# Altium PCB CL-HC-M-V2.1gerber.PcbDoc (part 12 of 16)
Units mil, origin at the board's own origin, x right, y up, seen from the top; angles counter-clockwise.
Board outline 27559.06 x 27559.06 mil, 2 copper layers (TopLayer, BottomLayer); 575 components, 528 nets, 1941 pads, 1850 vias.
Unrouted connection lines stored in the file: 70.
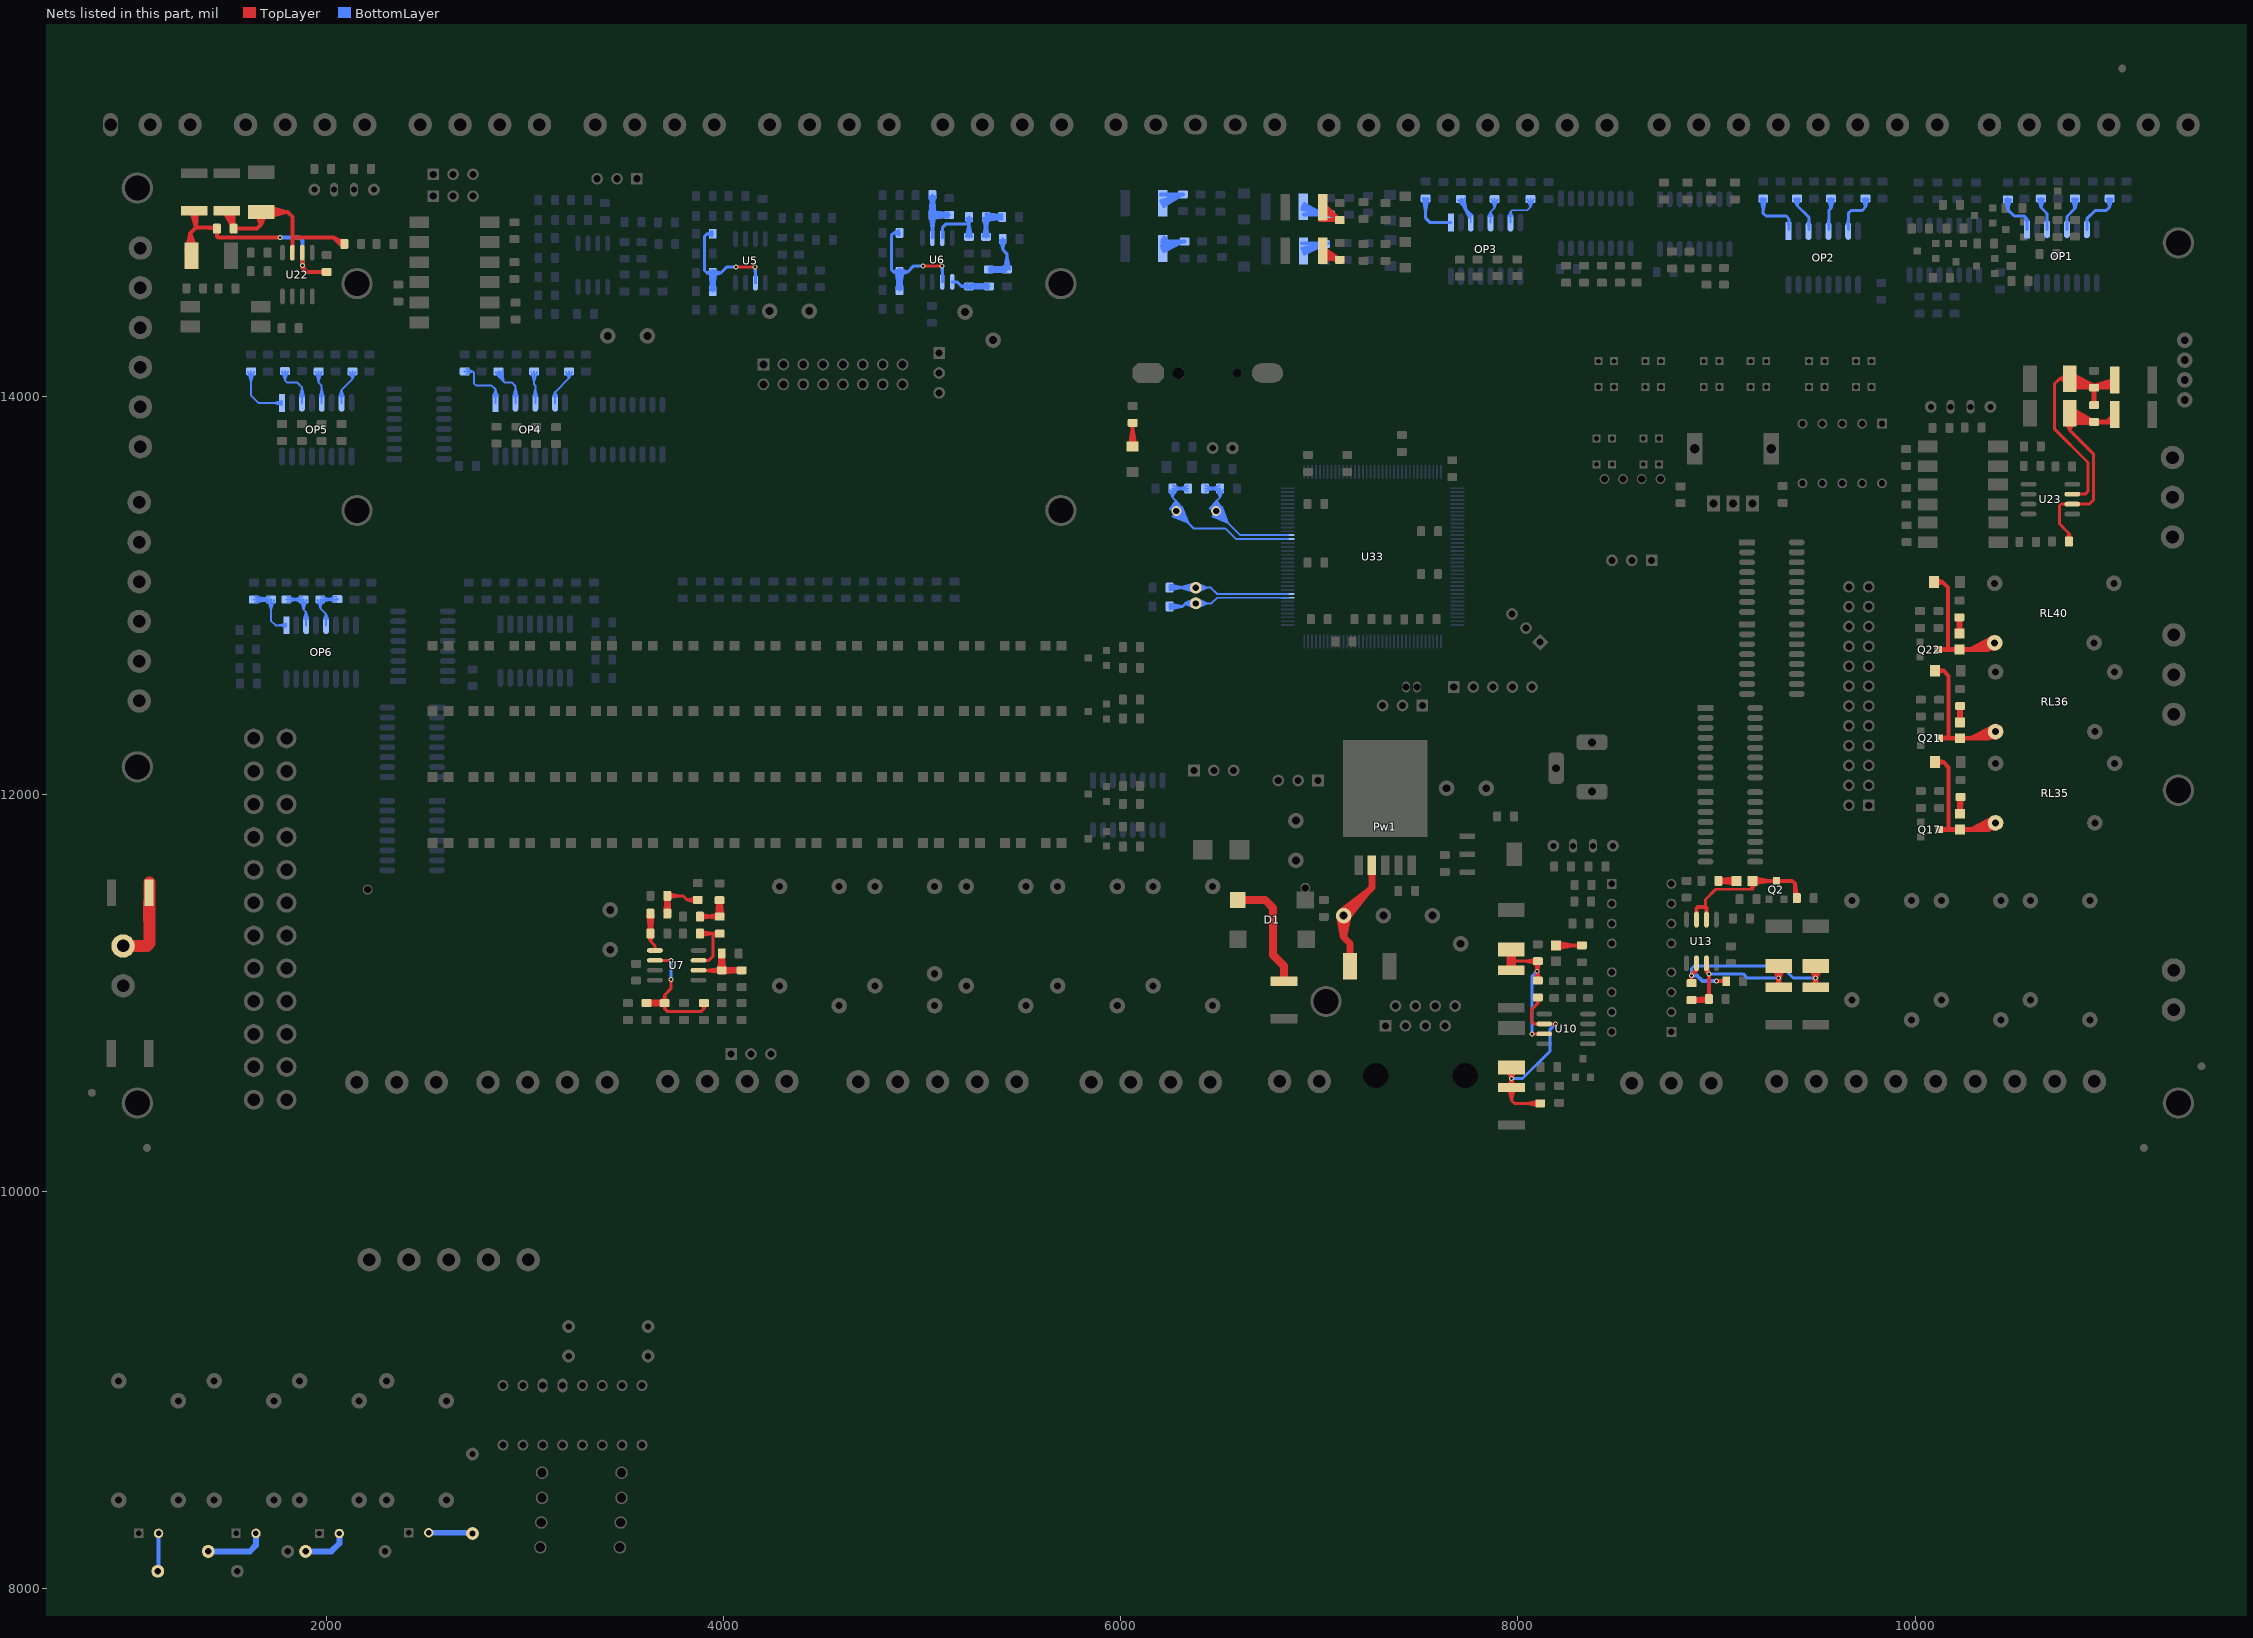
[diagram p12: the nets of this part, all layers, seen from the top]

## Via types
v1: diameter 25, hole 15, TopLayer to BottomLayer, tented both sides, 1813 vias
v2: diameter 20, hole 12, TopLayer to BottomLayer, tented both sides, 24 vias
v3: diameter 25, hole 15, TopLayer to BottomLayer, 13 vias

## Nets (pads, with @x,y where several pads share a name; then routed paths per layer and width w, separated by ;. In a path a pad name is that pad's centre, name@x,y a point inside that pad or via, vN(x,y) a via of type N, cw(c..) or ccw(c..) an arc to the next point about the centre after c; other vN are vias at no path point) (continued)
NetC18_1: C18.1 R114.2 R116.1 U5.6 | length 2051.5
  TopLayer w15: v1(4064.05,14655) v1(4159.64,14655)
  BottomLayer w15: R116.1@3933.67,14619.59 C18.1@3936.59,14553.29 ; C18.1@3933.71,14538.54 R116.1@3946.15,14602.34 ; R116.1@3934.01,14616 C18.1@3955.72,14553.29 ; R114.2@3943.43,14809.02 3917.46,14821.22 ; R114.2@3943.43,14833.42 3917.46,14821.22 ; R116.1@3943.46,14611.75 3917.16,14623.96 ; R116.1@3943.46,14636.17 3917.16,14623.96 ; C18.1@3946.15,14532.34 R116.1@3946.15,14623.96 ; C18.1@3946.15,14537.34 R116.1@3946.15,14602.34 ; R114.2@3946.15,14821.22 3917.46,14821.22 ; R116.1@3948.07,14611.61 3986.82,14623.96 ; R116.1@3948.07,14636.31 3986.82,14623.96 ; R116.1@3958.3,14616 C18.1@3936.59,14553.29 ; C18.1@3958.6,14538.54 R116.1@3946.15,14602.34 ; R116.1@3958.64,14619.59 C18.1@3955.72,14553.29 ; U5.6@4161.15,14574.54 v1@4161.15,14653.49 ; U5.6@4161.15,14597.42 v1(4159.64,14655) ; 3917.16,14623.96 3904.72,14636.4 3904.72,14808.48 3917.46,14821.22 ; 3917.16,14623.96 R116.1@3946.15,14623.96 ; C18.1@3936.59,14553.29 R116.1@3946.15,14618.96 ; C18.1@3946.15,14553.96 3958.6,14617.76 C18.1@3946.15,14553.96 ; C18.1@3946.15,14553.96 3933.71,14617.76 C18.1@3946.15,14553.96 ; C18.1@3946.15,14553.96 R116.1@3946.15,14618.96 ; C18.1@3946.15,14553.96 R116.1@3946.15,14618.96 ; R116.1@3946.15,14618.96 C18.1@3955.72,14553.29 ; R116.1@3946.15,14623.96 3986.82,14623.96 ; 3986.82,14623.96 4017.86,14655 ; 4017.86,14655 v1(4064.05,14655) 4017.86,14655 ; v1(4159.64,14655) v1@4161.15,14653.49 ; v1(4159.64,14655) 4161.15,14602.54 v1@4161.15,14653.49
NetC25_1: C25.1 R123.2 R127.1 | length 1158.8
  BottomLayer w15: C25.1@5309.42,14807.13 5321.86,14870.93 C25.1@5334.3,14807.13 ; R127.1@5309.42,14899.73 5321.86,14835.93 ; C25.1@5321.86,14805.93 R127.1@5321.86,14905.93 R123.2@5403.28,14905.93 ; R127.1@5321.86,14910.93 R123.2@5387.1,14915.45 ; R127.1@5322.19,14888.43 R123.2@5387.1,14896.41 ; R127.1@5322.19,14923.42 R123.2@5387.1,14915.45 ; R127.1@5323.07,14893.49 5386.86,14905.93 R127.1@5323.07,14918.37 ; R127.1@5323.92,14898.6 R123.2@5387.1,14915.45 ; R127.1@5323.92,14913.26 R123.2@5387.1,14896.41 ; R127.1@5334.31,14899.73 5321.86,14835.93 ; R123.2@5402.08,14893.49 5338.28,14905.93 R123.2@5402.08,14918.37 ; 5321.86,14835.93 5321.86,14900.93 R123.2@5387.1,14896.41
NetC26_1: C26.1 R124.2 R128.1 | length 1508.7
  BottomLayer w15: R128.1@5336.86,14641.78 C26.1@5426.86,14641.78 5426.86,14720.93 5406.25,14741.54 ; R128.1@5341.18,14629.3 C26.1@5407.14,14631.97 ; R128.1@5341.18,14654.26 C26.1@5407.14,14651.58 ; R128.1@5344.88,14629.65 C26.1@5407.14,14651.58 ; R128.1@5344.88,14653.91 C26.1@5407.14,14631.97 ; R124.2@5393.85,14788.51 5406.25,14741.54 ; R124.2@5406.25,14790.12 5406.25,14741.54 ; R124.2@5406.25,14795.12 5406.25,14741.54 ; C26.1@5414.42,14642.98 5426.86,14706.78 C26.1@5439.3,14642.98 ; R124.2@5418.65,14788.51 5406.25,14741.54 ; C26.1@5420.66,14629.34 R128.1@5356.86,14641.78 ; C26.1@5420.66,14654.22 R128.1@5356.86,14641.78 ; C26.1@5421.86,14641.78 R128.1@5356.86,14641.78 ; R128.1@5341.86,14641.78 C26.1@5406.86,14641.78 ; R128.1@5341.86,14641.78 C26.1@5407.14,14651.58 ; R128.1@5341.86,14641.78 C26.1@5406.86,14641.78 ; R128.1@5341.86,14641.78 C26.1@5407.14,14631.97 ; C26.1@5406.86,14641.78 5343.07,14654.22 C26.1@5406.86,14641.78 ; C26.1@5406.86,14641.78 5343.07,14629.34 C26.1@5406.86,14641.78
NetC27_1: C27.1 R125.2 R129.1 | length 1423.4
  TopLayer w15: C27.1@3881.65,11383.14 R129.1@3981.65,11383.14 ; C27.1@3882.85,11370.69 3946.65,11383.14 C27.1@3882.85,11395.58 ; R129.1@3964.15,11383.3 R125.2@3971.23,11448.86 ; R125.2@3967.84,11464.48 R129.1@3981.65,11400.92 ; R129.1@3969.19,11384.14 R125.2@3980.63,11448.15 ; R129.1@3969.21,11384.34 3981.65,11448.14 R129.1@3994.09,11384.34 ; R129.1@3974.28,11384.94 R125.2@3989.9,11448.71 ; R129.1@3975.45,11370.69 3911.65,11383.14 ; R129.1@3975.45,11395.58 3911.65,11383.14 ; R129.1@3986.65,11383.14 R125.2@3989.9,11448.71 ; R129.1@3988.95,11385.34 R125.2@3971.23,11448.86 ; R125.2@3992.72,11465.02 R129.1@3981.65,11400.92 ; R129.1@3994.07,11384.53 R125.2@3980.63,11448.15 ; R129.1@3999.14,11383.71 R125.2@3989.9,11448.71 ; 3911.65,11383.14 3976.65,11383.14 R125.2@3971.23,11448.86 ; R125.2@3980.63,11448.15 R129.1@3981.65,11383.14 ; R129.1@3981.65,11383.14 3981.65,11464.56 R125.2@3980.25,11465.95 R129.1@3981.65,11400.92
NetC28_1: C28.1 R126.2 R130.1 | length 1508.7
  TopLayer w15: R130.1@3705.02,11402.46 C28.1@3707.69,11468.42 ; C28.1@3705.06,11481.93 R130.1@3717.5,11418.14 ; R130.1@3705.37,11406.16 C28.1@3727.31,11468.42 ; R130.1@3717.5,11398.14 C28.1@3717.5,11488.14 3796.65,11488.14 3817.26,11467.52 ; C28.1@3717.5,11483.14 R130.1@3717.5,11418.14 ; C28.1@3718.7,11475.69 3782.5,11488.14 C28.1@3718.7,11500.58 ; R130.1@3729.63,11406.16 C28.1@3707.69,11468.42 ; C28.1@3729.94,11481.93 R130.1@3717.5,11418.14 ; R130.1@3729.98,11402.46 C28.1@3727.31,11468.42 ; R126.2@3864.24,11455.13 3817.26,11467.52 ; R126.2@3864.24,11479.92 3817.26,11467.52 ; R126.2@3865.84,11467.52 3817.26,11467.52 ; R126.2@3870.84,11467.52 3817.26,11467.52 ; C28.1@3707.69,11468.42 R130.1@3717.5,11403.14 ; R130.1@3717.5,11403.14 C28.1@3717.5,11468.14 ; R130.1@3717.5,11403.14 C28.1@3727.31,11468.42 ; R130.1@3717.5,11403.14 C28.1@3717.5,11468.14 ; C28.1@3717.5,11468.14 3705.06,11404.34 C28.1@3717.5,11468.14 ; C28.1@3717.5,11468.14 3729.94,11404.34 C28.1@3717.5,11468.14
NetC29_1: C29.1 R127.2 U6.3 | length 539
  BottomLayer w15: U6.3@5101.86,14799.25 5101.86,14851.35 ; U6.3@5101.86,14827.25 5101.86,14851.35 ; C29.1@5224.42,14807.13 5236.86,14870.93 C29.1@5249.31,14807.13 ; R127.2@5224.64,14898.31 5236.86,14871.07 ; C29.1@5236.86,14805.93 5236.86,14871.07 ; R127.2@5236.86,14900.93 5236.86,14871.07 ; R127.2@5236.86,14905.93 5236.86,14871.07 ; R127.2@5249.09,14898.31 5236.86,14871.07 ; 5101.86,14851.35 5121.58,14871.07 5236.86,14871.07
NetC30_1: C30.1 R128.2 U6.5 | length 1501.7
  BottomLayer w15: U6.5@5151.86,14579.25 5176.02,14579.25 5198.49,14556.78 ; C30.1@5229.52,14544.5 5198.49,14556.78 ; C30.1@5229.52,14569.06 5198.49,14556.78 ; C30.1@5231.86,14556.78 5198.49,14556.78 ; C30.1@5241.86,14556.78 5306.86,14556.78 ; C30.1@5243.07,14544.34 5306.86,14556.78 ; C30.1@5243.07,14569.22 5306.86,14556.78 ; R128.2@5329.2,14544.56 5266.13,14564.72 ; R128.2@5329.2,14568.99 5266.13,14548.83 ; R128.2@5332.18,14544.28 5266.13,14548.83 ; R128.2@5332.18,14569.27 5266.13,14564.72 ; R128.2@5336.86,14556.78 C30.1@5236.86,14556.78 5198.49,14556.78 ; 5266.13,14548.83 R128.2@5331.86,14556.78 ; 5266.13,14564.72 R128.2@5331.86,14556.78 ; 5266.86,14556.78 5330.66,14544.34 5266.86,14556.78 ; 5266.86,14556.78 5330.66,14569.22 5266.86,14556.78 ; 5266.86,14556.78 R128.2@5331.86,14556.78 ; 5266.86,14556.78 R128.2@5331.86,14556.78 ; 5306.86,14556.78 R128.2@5328.74,14544.67 ; 5306.86,14556.78 R128.2@5328.74,14568.88 ; 5306.86,14556.78 R128.2@5331.86,14556.78 ; 5306.86,14556.78 R128.2@5328.74,14544.67 ; 5306.86,14556.78 R128.2@5328.74,14568.88 ; 5306.86,14556.78 R128.2@5331.86,14556.78 ; 5306.86,14556.78 R128.2@5328.74,14544.67 ; 5306.86,14556.78 R128.2@5328.74,14568.88 ; 5306.86,14556.78 R128.2@5331.86,14556.78
NetC31_1: C31.1 R129.2 U7.3 | length 539
  TopLayer w15: U7.3@3874.97,11163.14 3927.08,11163.14 ; C31.1@3881.65,11298.14 3946.79,11298.14 ; C31.1@3882.85,11285.69 3946.65,11298.14 C31.1@3882.85,11310.58 ; U7.3@3902.97,11163.14 3927.08,11163.14 ; R129.2@3974.03,11285.91 3946.79,11298.14 ; R129.2@3974.03,11310.36 3946.79,11298.14 ; R129.2@3976.65,11298.14 3946.79,11298.14 ; R129.2@3981.65,11298.14 3946.79,11298.14 ; 3927.08,11163.14 3946.79,11182.85 3946.79,11298.14
NetC32_1: C32.1 R130.2 U7.5 | length 1501.7
  TopLayer w15: R130.2@3620,11393.46 3624.55,11327.4 ; C32.1@3620.06,11304.34 3632.5,11368.14 ; C32.1@3620.22,11290.8 3632.5,11259.76 ; R130.2@3620.29,11390.47 3640.44,11327.4 ; C32.1@3632.5,11293.14 3632.5,11259.76 ; C32.1@3632.5,11303.14 3632.5,11368.14 ; R130.2@3632.5,11398.14 C32.1@3632.5,11298.14 3632.5,11259.76 ; R130.2@3644.71,11390.47 3624.55,11327.4 ; C32.1@3644.78,11290.8 3632.5,11259.76 ; C32.1@3644.94,11304.34 3632.5,11368.14 ; R130.2@3645,11393.46 3640.44,11327.4 ; U7.5@3654.97,11213.14 3654.97,11237.29 3632.5,11259.76 ; R130.2@3620.4,11390.01 3632.5,11368.14 ; R130.2@3620.4,11390.01 3632.5,11368.14 ; R130.2@3620.4,11390.01 3632.5,11368.14 ; 3624.55,11327.4 R130.2@3632.5,11393.14 ; 3632.5,11328.14 3644.94,11391.93 3632.5,11328.14 ; 3632.5,11328.14 3620.06,11391.93 3632.5,11328.14 ; 3632.5,11328.14 R130.2@3632.5,11393.14 ; 3632.5,11328.14 R130.2@3632.5,11393.14 ; 3632.5,11368.14 R130.2@3644.6,11390.01 ; 3632.5,11368.14 R130.2@3632.5,11393.14 ; 3632.5,11368.14 R130.2@3644.6,11390.01 ; 3632.5,11368.14 R130.2@3632.5,11393.14 ; 3632.5,11368.14 R130.2@3644.6,11390.01 ; 3632.5,11368.14 R130.2@3632.5,11393.14 ; R130.2@3632.5,11393.14 3640.44,11327.4
NetC33_1: C33.1 R131.2 R137.1 U6.2 | length 2902.1
  BottomLayer w15: R137.1@5039.37,14920.61 5043.92,14986.67 ; R137.1@5039.42,14909.73 5051.86,14845.93 ; C33.1@5039.42,15009.73 5051.86,14945.93 ; R137.1@5039.65,14923.59 5059.81,14986.67 ; 5044.17,14885.37 U6.2@5051.86,14827.25 ; U6.2@5051.86,14799.25 R137.1@5051.86,14915.93 ; C33.1@5051.86,15010.93 5051.86,14945.93 ; C33.1@5051.86,15015.93 R137.1@5051.86,14915.93 ; R137.1@5052.15,14898.43 R131.2@5116.84,14906.18 ; R137.1@5052.15,14933.42 R131.2@5116.84,14925.67 ; R137.1@5053.97,14908.61 R131.2@5116.84,14925.67 ; R137.1@5053.97,14923.25 R131.2@5116.84,14906.18 ; 5059.55,14885.37 U6.2@5051.86,14827.25 ; R137.1@5064.08,14923.59 5043.92,14986.67 ; R137.1@5064.31,14909.73 5051.86,14845.93 ; C33.1@5064.31,15009.73 5051.86,14945.93 ; R137.1@5064.36,14920.61 5059.81,14986.67 ; R131.2@5130.66,14903.49 R137.1@5066.86,14915.93 ; R131.2@5130.66,14928.37 R137.1@5066.86,14915.93 ; R131.2@5131.86,14915.93 R137.1@5066.86,14915.93 ; R131.2@5136.86,14915.93 R137.1@5051.86,14915.93 ; R137.1@5039.76,14924.05 5051.86,14945.93 ; R137.1@5039.76,14924.05 5051.86,14945.93 ; R137.1@5039.76,14924.05 5051.86,14945.93 ; 5043.92,14986.67 R137.1@5051.86,14920.93 ; U6.2@5051.86,14827.25 5051.86,14884.25 U6.2@5051.86,14827.25 ; U6.2@5051.86,14827.25 5051.86,14845.93 ; U6.2@5051.86,14827.25 5051.86,14845.93 ; U6.2@5051.86,14827.25 5051.86,14845.93 ; 5051.86,14845.93 5051.86,14910.93 R131.2@5116.84,14906.18 ; R137.1@5051.86,14915.93 R131.2@5116.86,14915.93 ; R137.1@5051.86,14920.93 R131.2@5116.84,14925.67 ; R137.1@5051.86,14920.93 5051.86,14985.93 ; R137.1@5051.86,14920.93 5059.81,14986.67 ; R137.1@5051.86,14920.93 5051.86,14945.93 ; R137.1@5051.86,14920.93 5051.86,14945.93 ; R137.1@5051.86,14920.93 5051.86,14985.93 ; R137.1@5051.86,14920.93 5051.86,14945.93 ; 5051.86,14945.93 R137.1@5063.97,14924.05 ; 5051.86,14945.93 R137.1@5063.97,14924.05 ; 5051.86,14945.93 R137.1@5063.97,14924.05 ; 5051.86,14985.93 5039.42,14922.13 5051.86,14985.93 ; 5051.86,14985.93 5064.31,14922.13 5051.86,14985.93 ; R131.2@5116.86,14915.93 5053.07,14928.37 R131.2@5116.86,14915.93 ; R131.2@5116.86,14915.93 5053.07,14903.49 R131.2@5116.86,14915.93
NetC34_1: C34.1 R132.2 R135.1 U6.6 | length 2051.5
  TopLayer w15: v1(5004.76,14659.71) v1(5100.35,14659.71)
  BottomLayer w15: R135.1@4874.38,14624.3 C34.1@4877.3,14558.01 ; C34.1@4874.42,14543.25 R135.1@4886.86,14607.05 ; R135.1@4874.72,14620.71 C34.1@4896.43,14558.01 ; R132.2@4884.14,14813.73 4858.17,14825.93 ; R132.2@4884.14,14838.13 4858.17,14825.93 ; R135.1@4884.17,14616.47 4857.87,14628.67 ; R135.1@4884.17,14640.88 4857.87,14628.67 ; C34.1@4886.86,14537.05 R135.1@4886.86,14628.67 ; C34.1@4886.86,14542.05 R135.1@4886.86,14607.05 ; R132.2@4886.86,14825.93 4858.17,14825.93 ; R135.1@4888.78,14616.32 4927.53,14628.67 ; R135.1@4888.78,14641.02 4927.53,14628.67 ; R135.1@4899.01,14620.71 C34.1@4877.3,14558.01 ; C34.1@4899.31,14543.25 R135.1@4886.86,14607.05 ; R135.1@4899.35,14624.3 C34.1@4896.43,14558.01 ; U6.6@5101.86,14579.25 v1@5101.86,14658.2 ; U6.6@5101.86,14602.13 v1(5100.35,14659.71) ; 4857.87,14628.67 4845.43,14641.11 4845.43,14813.19 4858.17,14825.93 ; 4857.87,14628.67 R135.1@4886.86,14628.67 ; C34.1@4877.3,14558.01 R135.1@4886.86,14623.67 ; C34.1@4886.86,14558.67 4899.31,14622.47 C34.1@4886.86,14558.67 ; C34.1@4886.86,14558.67 4874.42,14622.47 C34.1@4886.86,14558.67 ; C34.1@4886.86,14558.67 R135.1@4886.86,14623.67 ; C34.1@4886.86,14558.67 R135.1@4886.86,14623.67 ; R135.1@4886.86,14623.67 C34.1@4896.43,14558.01 ; R135.1@4886.86,14628.67 4927.53,14628.67 ; 4927.53,14628.67 4958.57,14659.71 ; 4958.57,14659.71 v1(5004.76,14659.71) 4958.57,14659.71 ; v1(5100.35,14659.71) v1@5101.86,14658.2 ; v1(5100.35,14659.71) 5101.86,14607.25 v1@5101.86,14658.2
NetC35_1: C35.1 R133.2 R138.1 U7.2 | length 2902.1
  TopLayer w15: U7.2@3874.97,11113.14 R138.1@3991.65,11113.14 ; 3961.09,11105.44 U7.2@3902.97,11113.14 ; 3961.09,11120.83 U7.2@3902.97,11113.14 ; R138.1@3974.15,11113.43 R133.2@3981.9,11178.11 ; R133.2@3979.21,11191.93 R138.1@3991.65,11128.14 ; R138.1@3984.33,11115.24 R133.2@4001.4,11178.11 ; R138.1@3985.45,11100.69 3921.65,11113.14 ; R138.1@3985.45,11125.58 3921.65,11113.14 ; R133.2@3991.65,11193.14 R138.1@3991.65,11128.14 ; R133.2@3991.65,11198.14 R138.1@3991.65,11113.14 ; R138.1@3996.33,11100.64 4062.39,11105.19 ; R138.1@3996.33,11125.63 4062.39,11121.08 ; R138.1@3998.97,11115.24 R133.2@3981.9,11178.11 ; R138.1@3999.31,11100.92 4062.39,11121.08 ; R138.1@3999.31,11125.35 4062.39,11105.19 ; R133.2@4004.09,11191.93 R138.1@3991.65,11128.14 ; R138.1@4009.15,11113.43 R133.2@4001.4,11178.11 ; C35.1@4085.45,11100.69 4021.65,11113.14 ; C35.1@4085.45,11125.58 4021.65,11113.14 ; C35.1@4086.65,11113.14 4021.65,11113.14 ; C35.1@4091.65,11113.14 R138.1@3991.65,11113.14 ; U7.2@3902.97,11113.14 3921.65,11113.14 ; U7.2@3902.97,11113.14 3921.65,11113.14 ; U7.2@3902.97,11113.14 3959.97,11113.14 U7.2@3902.97,11113.14 ; U7.2@3902.97,11113.14 3921.65,11113.14 ; 3921.65,11113.14 3986.65,11113.14 R133.2@3981.9,11178.11 ; R138.1@3991.65,11113.14 R133.2@3991.65,11178.14 ; R133.2@3991.65,11178.14 3979.21,11114.34 R133.2@3991.65,11178.14 ; R133.2@3991.65,11178.14 4004.09,11114.34 R133.2@3991.65,11178.14 ; R138.1@3996.65,11113.14 4061.65,11113.14 ; R138.1@3996.65,11113.14 4062.39,11105.19 ; R138.1@3996.65,11113.14 4021.65,11113.14 ; R138.1@3996.65,11113.14 4062.39,11121.08 ; R138.1@3996.65,11113.14 4021.65,11113.14 ; R138.1@3996.65,11113.14 4061.65,11113.14 ; R138.1@3996.65,11113.14 4021.65,11113.14 ; R138.1@3996.65,11113.14 R133.2@4001.4,11178.11 ; R138.1@3999.77,11101.03 4021.65,11113.14 ; R138.1@3999.77,11101.03 4021.65,11113.14 ; R138.1@3999.77,11101.03 4021.65,11113.14 ; R138.1@3999.77,11125.24 4021.65,11113.14 ; R138.1@3999.77,11125.24 4021.65,11113.14 ; R138.1@3999.77,11125.24 4021.65,11113.14 ; 4061.65,11113.14 3997.85,11125.58 4061.65,11113.14 ; 4061.65,11113.14 3997.85,11100.69 4061.65,11113.14
NetC36_1: C36.1 R134.2 R136.1 U7.6 | length 2051.5
  TopLayer w15: C36.1@3612.77,10948.14 R136.1@3704.39,10948.14 ; C36.1@3617.77,10948.14 R136.1@3682.77,10948.14 ; C36.1@3618.97,10935.69 R136.1@3682.77,10948.14 ; C36.1@3618.97,10960.58 R136.1@3682.77,10948.14 ; U7.6@3654.97,11163.14 v1@3733.92,11163.14 ; U7.6@3677.86,11163.14 v1(3735.43,11161.63) ; R136.1@3692.04,10950.06 3704.39,10988.8 ; R136.1@3692.19,10945.44 3704.39,10919.14 ; R136.1@3696.43,10935.99 C36.1@3633.73,10957.7 ; R136.1@3696.43,10960.28 C36.1@3633.73,10938.57 ; R136.1@3700.02,10935.65 C36.1@3633.73,10938.57 ; R136.1@3700.02,10960.62 C36.1@3633.73,10957.7 ; R136.1@3716.6,10945.44 3704.39,10919.14 ; R136.1@3716.74,10950.06 3704.39,10988.8 ; R134.2@3889.45,10945.41 3901.65,10919.44 ; R134.2@3901.65,10948.14 3901.65,10919.44 ; R134.2@3913.85,10945.41 3901.65,10919.44 ; C36.1@3633.73,10938.57 R136.1@3699.39,10948.14 ; C36.1@3633.73,10957.7 R136.1@3699.39,10948.14 ; C36.1@3634.39,10948.14 3698.19,10935.69 C36.1@3634.39,10948.14 ; C36.1@3634.39,10948.14 3698.19,10960.58 C36.1@3634.39,10948.14 ; C36.1@3634.39,10948.14 R136.1@3699.39,10948.14 ; C36.1@3634.39,10948.14 R136.1@3699.39,10948.14 ; 3704.39,10919.14 R136.1@3704.39,10948.14 ; 3704.39,10919.14 3716.83,10906.7 3888.91,10906.7 3901.65,10919.44 ; R136.1@3704.39,10948.14 3704.39,10988.8 ; 3704.39,10988.8 3735.43,11019.84 ; v1@3733.92,11163.14 v1(3735.43,11161.63) ; v1@3733.92,11163.14 3682.97,11163.14 v1(3735.43,11161.63) ; 3735.43,11019.84 v1(3735.43,11066.03) 3735.43,11019.84
  BottomLayer w15: v1(3735.43,11066.03) v1(3735.43,11161.63)
NetC72_1: C72.1 U33.9 Y1.1 | length 1234.6
  BottomLayer w10: Y1.1@6378.31,13039.29 6453.96,13039.29 6484.84,13008.41 U33.9@6841.28,13008.41 ; Y1.1@6380.08,13024.87 6437.83,13039.29 ; Y1.1@6380.08,13053.71 6437.83,13039.29 ; Y1.1@6383.36,13015.29 6437.83,13039.29 ; Y1.1@6383.36,13063.29 6437.83,13039.29 ; 6776.28,13008.41 U33.9@6811.03,13008.41
  BottomLayer w15: C72.1@6246.19,13039.87 6377.73,13039.87 Y1.1@6378.31,13039.29 6303.78,13039.87 ; C72.1@6247.39,13027.43 6311.19,13039.87 C72.1@6247.39,13052.31 ; Y1.1@6374.88,13017.53 6303.78,13039.87 ; Y1.1@6375.22,13061.1 6303.78,13039.87
NetC73_1: C73.1 U33.8 Y1.2 | length 1119.5
  BottomLayer w10: Y1.2@6378.31,12960.29 6456.81,12960.29 6485.24,12988.72 U33.8@6841.28,12988.72 ; Y1.2@6380.08,12945.87 6437.83,12960.29 ; Y1.2@6380.08,12974.71 6437.83,12960.29 ; Y1.2@6383.36,12936.29 6437.83,12960.29 ; Y1.2@6383.36,12984.29 6437.83,12960.29 ; 6776.28,12988.72 U33.8@6811.03,12988.72
  BottomLayer w15: C73.1@6246.19,12944.87 6310.4,12944.87 ; C73.1@6247.4,12932.43 6310.4,12944.87 ; C73.1@6247.4,12957.31 6310.4,12944.87 ; Y1.2@6373.68,12938.76 6325.83,12960.29 ; Y1.2@6373.68,12981.83 6325.83,12960.29 ; Y1.2@6378.31,12960.29 6325.83,12960.29 ; 6310.4,12944.87 6325.83,12960.29
NetC79_1: C79.1 R188.2 U33.23 Y2.1 | length 2102.7
  BottomLayer w10: C79.1@6245.92,13530.86 6260.65,13494.44 ; Y2.1@6247.37,13434.92 6277.39,13477.7 ; Y2.1@6256.45,13429.82 6277.39,13477.7 ; C79.1@6260.65,13533.72 6260.65,13494.44 ; Y2.1@6261.5,13396.85 6341.02,13364.95 ; C79.1@6262.79,13523.88 6310.65,13538.37 ; C79.1@6263,13553.54 6310.65,13538.37 ; Y2.1@6265.83,13406.03 6341.02,13364.95 ; Y2.1@6266.11,13426.68 6277.39,13477.7 ; Y2.1@6271.16,13414.56 6341.02,13364.95 ; C79.1@6275.37,13530.86 6260.65,13494.44 ; Y2.1@6291.41,13434.81 6341.02,13364.95 ; Y2.1@6294.53,13428.34 6277.39,13477.7 ; Y2.1@6299.94,13440.14 6341.02,13364.95 ; Y2.1@6303.76,13432.59 6277.39,13477.7 ; Y2.1@6309.12,13444.47 6341.02,13364.95 ; Y2.1@6312.18,13438.71 6277.39,13477.7 ; R188.2@6337.64,13523.54 6289.89,13538.37 R188.2@6337.64,13553.2 ; R188.2@6339.89,13538.37 6261,13538.37 C79.1@6260.65,13538.72 ; 6776.28,13284 U33.23@6811.03,13284 ; U33.23@6841.28,13284 6581.68,13284 6528.84,13336.84 6369.13,13336.84 Y2.1@6280.44,13425.53 ; 6260.65,13494.44 6277.39,13477.7 ; 6260.65,13494.44 C79.1@6260.65,13538.72 ; C79.1@6260.65,13538.72 6310.65,13538.37 ; 6277.39,13477.7 6277.39,13428.58 Y2.1@6280.44,13425.53 ; 6277.39,13477.7 Y2.1@6280.44,13425.53
NetC81_1: C81.1 R188.1 U33.24 Y2.2 | length 1890.7
  BottomLayer w10: R188.1@6427.03,13553.21 6474.89,13538.72 ; R188.1@6427.24,13523.55 6474.89,13538.72 ; Y2.2@6448.69,13438.71 6483.49,13477.7 ; Y2.2@6457.11,13432.59 6483.49,13477.7 ; Y2.2@6461.5,13396.85 6541.02,13364.95 ; Y2.2@6465.83,13406.03 6541.02,13364.95 ; Y2.2@6466.34,13428.34 6483.49,13477.7 ; Y2.2@6471.16,13414.56 6541.02,13364.95 ; C81.1@6485.5,13530.86 6500.22,13494.44 ; Y2.2@6491.41,13434.81 6541.02,13364.95 ; Y2.2@6494.76,13426.68 6483.49,13477.7 ; C81.1@6497.97,13523.89 6450.22,13538.72 C81.1@6497.97,13553.55 ; Y2.2@6499.94,13440.14 6541.02,13364.95 ; C81.1@6500.22,13533.72 6500.22,13494.44 ; Y2.2@6504.42,13429.82 6483.49,13477.7 ; Y2.2@6509.12,13444.47 6541.02,13364.95 ; Y2.2@6513.5,13434.92 6483.49,13477.7 ; C81.1@6514.95,13530.86 6500.22,13494.44 ; 6776.28,13303.68 U33.24@6811.03,13303.68 ; U33.24@6841.28,13303.68 6602.29,13303.68 Y2.2@6480.44,13425.53 ; 6474.89,13538.72 R188.1@6424.89,13538.37 6425.24,13538.72 C81.1@6500.22,13538.72 6500.22,13494.44 ; Y2.2@6480.44,13425.53 6483.49,13428.58 6483.49,13477.7 ; Y2.2@6480.44,13425.53 6483.49,13477.7 ; 6483.49,13477.7 6500.22,13494.44